# Altium PCB UmSELv1.PcbDoc (part 2 of 2)
Units mm, origin at the board's own origin, x right, y up, seen from the top; angles counter-clockwise.
Board outline 50 x 99.5 mm, 4 copper layers (Top Layer, InternalPlane, Internal1, Bottom Layer), stack 1.435 mm thick; 247 components, 137 nets, 739 pads, 494 vias.
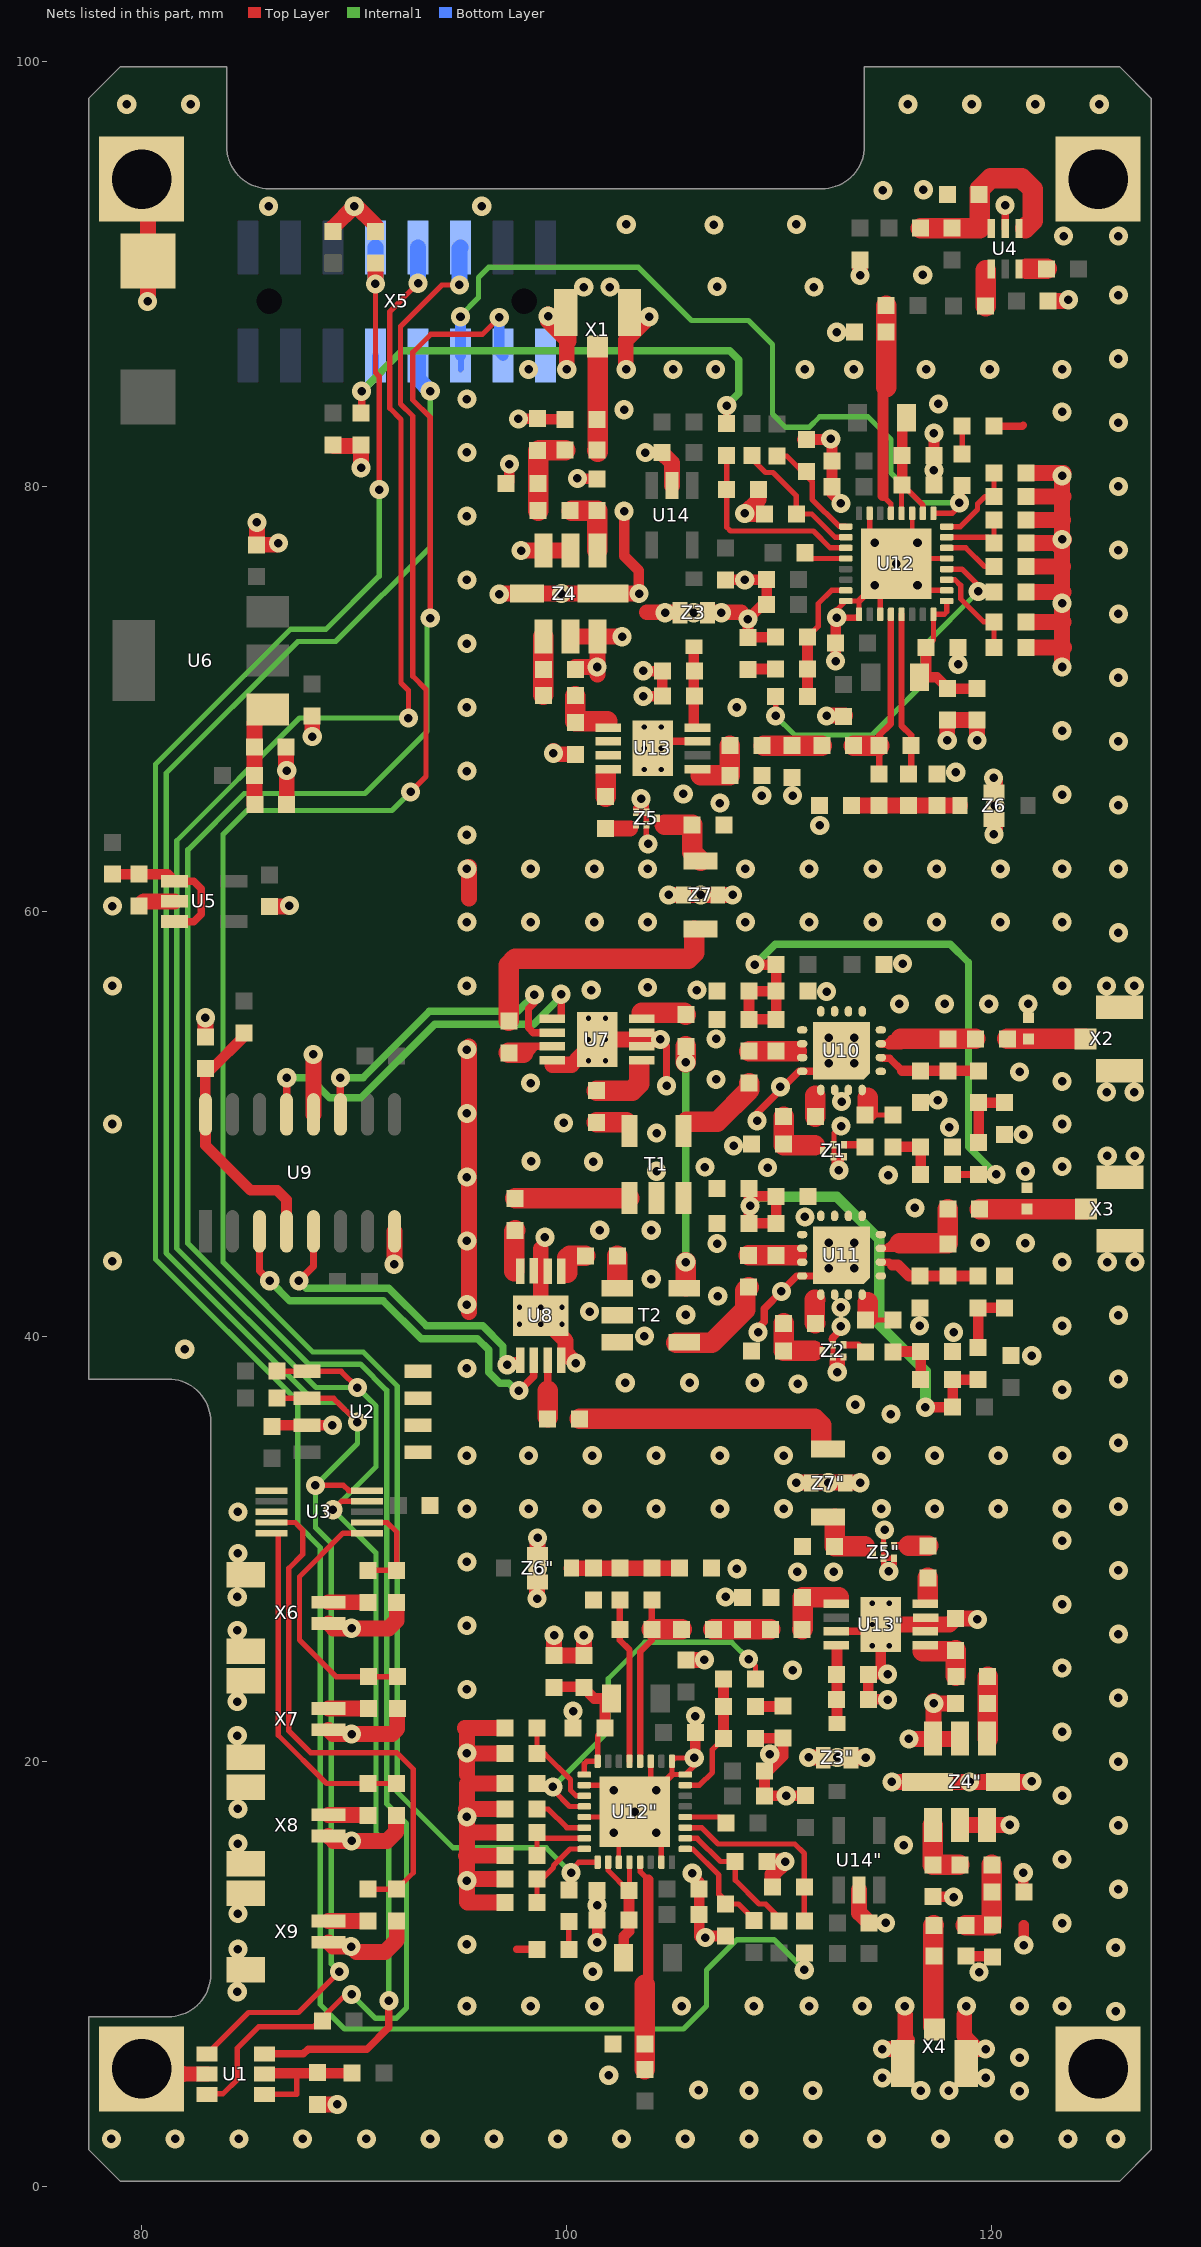
[diagram p4: the nets of this part, all layers, seen from the top]

## Via types
v1: diameter 0.9, hole 0.4, Top Layer to Bottom Layer, tented both sides, 392 vias
v2: diameter 0.9, hole 0.4, Top Layer to Internal1, tented both sides, 60 vias
v3: diameter 0.5, hole 0.25, Top Layer to Bottom Layer, tented both sides, 24 vias
v4: diameter 0.7, hole 0.4, Top Layer to Bottom Layer, tented both sides, 10 vias
v5: diameter 0.8, hole 0.4, Top Layer to Bottom Layer, tented both sides, 8 vias

## Nets (pads, with @x,y where several pads share a name; then routed paths per layer and width w, separated by ;. In a path a pad name is that pad's centre, name@x,y a point inside that pad or via, vN(x,y) a via of type N, cw(c..) or ccw(c..) an arc to the next point about the centre after c; other vN are vias at no path point) (continued)
GND: "C41\".1" "C42\".1" "C43\".1" "C44\".1" "C45\".1" "C46\".1" "C47\".2" "C48\".1" "C49\".1" "C50\".2" "C51\".2" "C52\".2" "C53\".2" "C54\".2" "C55\".2" "C56\".2" "C57\".1" "C58\".1" "C60\".2" "C61\".2" "C62\".1" "C64\".1" "C65\".2" "C66\".1" "C67\".2" "C68\".1" "C69\".1" "C70\".2" "C71\".1" "C73\".2" "C74\".2" "C75\".2" "C76\".2" "C77\".2" "C79\".1" "L20\".2" "LED1\".1" "R35\".1" "R37\".1" "R40\".2" "R43\".2" "U12\".0" "U12\".8" "U12\".9" "U12\".11" "U12\".18" "U12\".21" "U12\".27" "U12\".31" "U13\".0" "U13\".3" "U13\".6" "U13\".7" "U14\".2" "Z3\".2" "Z4\".2" "Z4\".3" "Z4\".4" "Z4\".6" "Z4\".7" "Z4\".8" "Z5\".2" "Z5\".3" "Z5\".5" "Z6\".2" "Z7\".2" C1.1 C2.2 C3.1 C4.1 C5.1 C6.1 C7.1 C8.2 C9.1 C10.1 C18.1 C19.1 C20.1 C21.1 C24.1 C25.1 C28.1 C29.1 C30.2 C31.2 C34.1 C37.2 C38.2 C39.2 C40.2 C41.1 C42.1 C43.1 C44.1 C45.1 C46.1 C47.2 C48.1 C49.1 C50.2 C51.2 C52.2 C53.2 C54.2 C55.2 C56.2 C57.1 C58.1 C60.2 C61.2 C62.1 C64.1 C65.2 C66.1 C67.2 C68.1 C69.1 C70.2 C71.1 C73.2 C74.2 C75.2 C76.2 C77.2 C79.1 ESD1.1 ESD2.1 L6.2 L7.2 L20.2 LED1.1 pad.0 R1.1 R2.1 R3.1 R4.1 R8.2 R9.2 R10.2 R12.2 R14.2 R18.2 R23.2 R35.1 R37.1 R40.2 R43.2 T1.1 T1.2 T2.1 T2.2 U1.2 U2.1 U2.2 U2.3 U2.4 U2.7 U3.1 U3.3 U4.2 U5.2 U7.0 U7.4 U7.6 U7.7 U8.0 U8.4 U8.6 U8.7 U9.8 U9.12 U10.0 U11.0 U12.0 U12.8 U12.9 U12.11 U12.18 U12.21 U12.27 U12.31 U13.0 U13.3 U13.6 U13.7 U14.2 X1.2 X2.2 X3.2 X4.2 X5.15 X6.0 X6.2 X7.0 X7.2 X8.0 X8.2 X9.0 X9.2 Z1.2 Z1.3 Z1.5 Z2.2 Z2.3 Z2.5 Z3.2 Z4.2 Z4.3 Z4.4 Z4.6 Z4.7 Z4.8 Z5.2 Z5.3 Z5.5 Z6.2 Z7.2 | length 334.7
  Top Layer w0.2: 102.45,15.27 102.45,16.895 102.95,17.395 v4(103.2,17.645) ; v4(115.5,76.355) 115.75,76.605 116.25,77.105 U12.27@116.25,78.73
  Top Layer w0.25: 100.825,17.395 102.95,17.395 ; 100.825,18.895 101.95,18.895 v4(102.2,18.645) v4(103.2,17.645) ; 103.735,63.875 103.743,63.882 103.743,63.257 v1(103.825,63.175) ; Z5.5@103.743,64.087 103.743,64.655 Z5.2@103.75,64.662 ; 103.95,18.395 103.95,20.02 ; 104.45,15.27 104.45,16.395 ; v1@106,19.82 105.575,19.395 104.95,19.395 104.95,20.02 105.105,20.175 v1(106,20.175) ; Z2.5@112.525,39.613 Z2.2@112.525,39.037 Z2.3@113.025,39.037 ; v1@112.7,74.18 U12.8@113.125,74.605 113.75,74.605 U12.9@113.75,73.98 113.595,73.825 ; v1(112.8,47.825) 112.575,48.05 112.575,49.572 v1(112.906,49.902) ; U12.0@114.25,77.605 U12.31@114.25,78.73 ; U12.11@114.75,73.98 U12.0@114.75,75.605 ; v1@114.9,29.025 v1@114.9,29.275 ; v1@114.9,30.9 114.9,30.15 114.9,29.575 ; 114.907,29.9 114.907,29.582 114.9,29.575 ; v1@114.925,30.875 v1(114.95,30.9) ; U12.0@115.75,76.605 U12.21@117.875,76.605 ; v4(116.5,75.355) 116.75,75.105 U12.18@117.875,75.105 ; Z5.2@103.75,64.662 Z5.3@103.25,64.662 103.25,64.875 103.625,65.25 103.75,65.125 Z5.2@103.75,64.662 ; v1@114.9,29.275 114.9,29.575 ; v1@114.9,29.275 115.15,29.025 115.4,29.275 115.4,29.575 115.075,29.575 114.9,29.575
  Top Layer w0.3: 104.45,16.395 v4(104.2,16.645) v4(103.2,17.645) 103.95,18.395 v4(104.2,18.645) 104.95,19.395 ; v1@106,19.82 v1(106,20.175) ; v1@112.7,74.18 v1(112.7,73.825) 113.595,73.825 ; 113.75,74.605 v4(114.5,75.355) 114.75,75.605 v4(115.5,76.355) v4(114.5,77.355) U12.0@114.25,77.605
  Top Layer w0.35: 97.645,11.17 98.6,11.17 ; 99.325,52.775 U7.4@99.325,53 100.45,53 100.925,53 101.425,53.5 U7.0@101.425,53.975 ; U8.4@99.75,38.875 100.307,38.875 v1(100.43,38.752) ; U13.0@104.05,67.675 104.375,68 U13.3@106.15,68 ; v1(104.405,53.978) 104.693,53.69 104.693,51.807 v1(104.7,51.8) ; v1@108.8,40.2 109.292,40.692 109.292,41.317 v1(110.1,42.125) 110.825,42.85 U11.0@111.075,42.85 U11.0@111.6,42.85 ; v1(108.95,50.15) 108.95,50.501 110.924,52.475 U10.0@111.075,52.475 U10.0@111.6,52.475 ; U11.0@112.15,43.4 U11.0@112.575,43.825 ; U10.0@112.15,53.025 U10.0@112.575,53.45 U10.0@112.925,53.8 ; 112.478,39.872 112.51,39.905 112.51,39.943 112.925,40.358 v1@112.925,40.5 ; 112.665,26.135 114.375,26.135 114.44,26.135 ; LED1.1@120.1,82.83 121.43,82.83 121.475,82.875 ; U4.2@120.625,92.125 v1(120.625,93.225)
  Top Layer w0.5: C5.1@86.125,35.775 86.175,35.825 U2.7@87.79,35.825 v1(88.975,35.825) ; C43.1@97.225,80.13 97.3,80.205 v1(97.3,81.05) ; v1(97.725,83.175) R37.1@98.901,83.175 ; 99.1,83.15 R35.1@99.925,83.15 ; v1(100.294,22.372) 100.3,22.366 100.3,21.575 ; v1(100.5,80.375) 100.52,80.355 C49.1@101.425,80.355 ; v1(101.425,11.5) 101.425,12.545 v1(101.425,13.245) 101.425,13.945 ; 102.625,16.955 v4@103.2,17.53 ; v1(102.7,78.825) 102.7,76.725 103.394,76.031 103.394,74.958 v1@103.393,74.957 ; v1(103.6,70.125) 103.605,70.13 C55.2@104.5,70.13 C50.2@104.5,71.305 103.62,71.305 v1(103.6,71.325) ; v1(103.7,81.584) C79.1@104.475,81.584 ; v1(104.625,74.05) Z3.2@105.325,74.05 v1(105.975,74.05) Z3.2@106.625,74.05 v1(107.275,74.05) ; v1(105.905,14.751) 105.905,14.67 106.225,14.35 106.225,14.02 106.225,12.82 v1@106.225,11.775 ; v1(106,20.175) 106.05,20.225 106.05,21.375 v1(106.05,22.146) ; v1(106.52,11.72) 106.28,11.72 v1@106.225,11.775 ; C64.1@107.475,75.605 C46.1@109.4,75.605 C45.1@109.4,74.43 109.205,74.43 v1(108.525,73.75) ; 107.625,11.8 106.25,11.8 v1@106.225,11.775 ; 108.2,74.075 v1(108.525,73.75) ; 108.875,21.095 110.15,21.095 110.175,21.12 110.175,20.25 109.495,19.57 109.3,19.57 109.3,18.395 v1(110.325,18.395) 111.225,18.395 ; C48.1@109.825,72.905 108.55,72.905 R43.2@108.525,72.88 v1(108.525,73.75) ; C44.1@111.075,82.2 C44.1@111.275,82.2 112.45,82.2 v1@112.475,82.225 ; v1@111.425,20.325 112.075,20.325 ; 112.065,20.19 113.365,20.19 v1(114.065,20.19) ; v1(112.421,82.229) 112.471,82.229 v1@112.475,82.225 ; v1(112.65,71.775) C52.2@112.65,72.625 112.65,73.775 v1(112.7,73.825) ; v1(112.8,47.825) 112.8,48.375 ; v1(112.9,79.2) 112.9,79.225 112.475,79.65 C56.2@112.475,79.98 C54.2@112.475,81.18 v1@112.475,82.225 ; 114.19,25.885 114.44,26.135 114.765,26.46 ; 114.225,12.416 v1(115,12.416) ; v1@114.765,24.24 114.765,26.015 ; v1(115.09,22.915) 115.07,22.935 114.19,22.935 114.19,24.11 115.085,24.11 v1(115.09,24.115) ; 117.275,13.645 118.18,13.645 v1(118.2,13.625) ; C61.2@117.275,80.055 v1(117.275,80.755) C60.2@117.275,81.455 v1(117.275,82.5) ; C67.2@118.4,72.425 118.4,71.634 v1(118.406,71.628) ; 118.775,10.85 119.6,10.85 ; 121.475,13.87 v1(121.475,14.775) ; v1(121.5,11.375) 121.504,11.379 121.504,12.305
  Top Layer w0.7: pad.0@81.975,5.3 U1.2@83.1,5.3
  Top Layer w0.75: C10.1@79.875,60.25 80.099,60.474 U5.2@81.54,60.474 ; pad.0@80,94.45 80.3,94.15 C2.2@80.3,90.6 80.3,88.725 v1(80.275,88.7) ; C34.1@83,54.1 v1(83,55) ; v1(85.425,78.3) 85.425,77.275 C9.1@85.4,77.25 86.35,77.25 v1(86.43,77.33) ; C3.1@86.025,60.225 86.9,60.225 v1(86.95,60.275) ; C7.1@86.8,67.725 86.8,66.65 v1(86.825,66.625) R8.2@86.825,65.025 ; v1(88.025,68.225) C1.1@88.025,69.2 ; v1(88.075,53.275) 88.085,53.265 U9.12@88.085,50.45 ; C6.1@88.275,3.875 v1(89.2,3.875) ; X9.2@88.8,11.5 89,11.3 v1(89.85,11.3) 90.1,11.05 91.45,11.05 92,11.6 R9.2@92,12.5 ; X8.2@88.8,16.5 89.025,16.275 v1(89.875,16.275) 91.55,16.275 91.975,16.7 91.975,17.45 R10.2@92,17.475 ; X7.2@88.8,21.5 89,21.3 v1(89.875,21.3) 91.775,21.3 92.025,21.55 R12.2@92.025,22.5 ; X6.2@88.8,26.5 89.025,26.275 v1(89.875,26.275) 91.625,26.275 92,26.65 R14.2@92,27.5 ; R4.1@89,81.95 89.05,81.9 R2.1@90.3,81.9 ; R3.1@89,92 89,92.175 v1(90,93.175) 90.05,93.225 91,92.275 R1.1@91,92 ; v1(90.325,80.875) R2.1@90.325,81.925 ; v1(91.875,43.4) 91.895,43.42 U9.8@91.895,44.95 ; 95.2,21.575 95.3,21.575 v1(95.3,20.4) v1@95.3,20.375 ; v1@95.225,14.475 v1@95.3,14.475 ; v1@95.225,20.375 v1@95.3,20.375 ; 95.25,15.575 95.3,15.575 ; v1@95.25,17.775 v1@95.3,17.775 ; 95.3,13.4 v1(95.3,14.4) v1@95.3,14.475 ; 95.3,18.95 v1@95.3,17.775 ; 95.3,19.4 v1@95.3,20.375 ; 95.325,13.375 97.1,13.375 ; 95.325,18.975 97.1,18.975 ; v1@95.4,14.475 97.1,14.475 ; 95.4,15.575 97.1,15.575 ; v1@95.4,17.775 97.1,17.775 ; v1@95.4,20.375 97.1,20.375 ; 95.4,21.575 97.1,21.575 ; v1@95.4,41.15 95.4,50.5 v1@95.4,53.65 ; 95.4,60.6 v1@95.4,62.1 ; 95.575,16.675 97.1,16.675 ; v1(96.825,74.925) 96.857,74.957 Z4.4@98.138,74.957 99.743,74.957 v1(99.75,74.95) 101.687,74.95 Z4.8@101.694,74.957 103.393,74.957 v1(103.4,74.95) ; v1(97.85,76.975) 97.864,76.989 Z4.3@98.9,76.989 Z4.2@100.17,76.989 ; v1(98.6,27.675) 98.6,28.425 98.625,28.45 v1@98.625,29.105 ; v1@98.625,30.444 98.625,29.75 v1@98.625,29.105 ; v1@98.625,30.495 v1(98.625,30.525) ; v1(98.63,29.1) v1@98.625,29.105 ; 98.775,44.125 v3(98.775,41.375) U8.0@98.775,40.975 99.95,39.8 99.95,39.232 v1@100.307,38.875 ; v1@99.075,88.025 v1@99.125,88.075 ; 99.325,52.775 100.225,52.775 ; v1@99.375,67.55 v1@99.425,67.5 ; v1(99.4,25.95) 99.4,25 100.8,25 v1(100.8,25.95) ; v1@99.425,67.395 C62.1@100.4,67.395 ; v1@100,85.775 100,86.75 ; Z4.6@100.17,72.925 Z4.7@101.44,72.925 ; C57.1@100.4,71.5 v1(101.425,71.5) v1@101.44,71.515 ; 100.45,53 U7.0@101.425,53.975 v3(101.825,53.975) 104.402,53.975 v1(104.405,53.978) ; v1@101.44,71.14 v1@101.44,71.515 ; v1@102,89.4 v1(102.025,89.375) ; v1(102.6,72.925) Z4.7@101.44,72.925 ; v1@102.775,85.825 102.775,86.875 ; 102.85,86.95 v1(103.875,87.975) ; 103.775,74.075 108.2,74.075 ; C79.1@104.475,81.584 104.949,81.11 U14.2@104.949,80.035 ; v1(104.8,60.775) Z7.2@105.5,60.775 v1(106.3,60.775) Z7.2@107.1,60.775 v1(107.8,60.775) ; 105.6,24.775 106.455,24.775 v1(106.475,24.795) ; C41.1@109.025,79.85 109.025,79.375 v1(108.375,78.725) 108.4,78.7 C42.1@109.3,78.7 ; 109.425,15.3 v1(110.275,15.3) 109.675,14.7 109.675,14.1 ; v1(110.8,33.125) v1(112.3,33.125) v1(113.8,33.125) ; v1(111.375,20.2) v1(112.725,20.2) 114.055,20.2 v1(114.065,20.19) ; v1(112.225,69.2) 112.325,69.2 112.35,69.225 C53.2@113.1,69.225 ; v1(112.725,38.325) 112.725,38.837 ; 113.751,13.965 113.751,12.89 114.225,12.416 ; v1(113.8,89.925) R23.2@113.8,90.65 ; 114.765,26.46 118.01,26.46 118.29,26.74 119.265,26.74 v1(119.315,26.69) ; v1(114.85,6.475) 115.6,6.475 X4.2@116,6.875 ; v1(115.3,19.05) 115.307,19.043 117.006,19.043 117.013,19.05 v1(118.95,19.05) 118.957,19.043 121.843,19.043 v1(121.875,19.075) ; 115.925,6.975 v1@115.925,8.075 ; v1(116.1,21.075) 117.26,21.075 ; v1@117.25,22.725 v1@117.26,22.735 ; v1@117.26,22.86 v1@117.26,22.735 ; v1(117.9,68.05) C70.2@117.9,69 C71.1@119.3,69 v1(119.3,68.05) ; 118.29,22.74 v1(117.265,22.74) v1@117.26,22.735 ; 118.53,17.011 120.836,17.011 v1(120.85,17.025) ; 118.53,21.075 117.26,21.075 ; 118.7,7.1 v1@118.7,8.075 ; X4.2@118.95,5.825 118.825,5.7 118.8,5.725 118.775,5.75 118.775,7 119.3,6.475 v1(119.7,6.475) v1@119.725,6.45 ; v1(120.081,66.278) 120.15,66.209 v1@120.15,64.97 ; v1(120.145,64.975) v1@120.15,64.97 ; v1@120.15,63.631 v1@120.15,64.97 ; C68.1@121.6,72.425 123.3,72.425 ; C69.1@121.6,73.625 123.3,73.625 ; C77.2@121.6,75.025 123.3,75.025 ; R40.2@121.6,76.225 123.3,76.225 ; C76.2@121.6,77.325 v1@123.125,77.325 ; C75.2@121.6,78.425 123.3,78.425 ; C74.2@121.6,79.525 123.3,79.525 ; C73.2@121.6,80.625 v1@123.375,80.625 ; C4.1@122.65,88.725 v1@123.55,88.725 ; v1@123.125,77.225 v1@123.3,77.4 ; 123.25,76.125 123.3,76.075 ; 123.25,78.325 123.3,78.375 ; 123.275,73.525 123.3,73.5 ; v1@123.275,74.925 v1@123.3,74.95 ; 123.275,79.425 123.3,79.4 ; v1@123.275,80.525 v1(123.3,80.5) 123.3,79.525 ; v1(123.3,71.5) 123.3,72.325 123.3,72.425 ; 123.35,76.225 123.3,76.225 ; 123.35,78.425 123.3,78.425 ; 123.375,73.625 123.3,73.625 ; 123.375,75.025 123.3,75.025 ; 123.375,79.525 123.3,79.525 ; 123.4,72.425 123.3,72.425 ; v1@123.4,77.5 v1@123.3,77.4 ; v1@95.3,14.475 95.3,15.575 ; 95.3,15.575 v1(95.3,17.4) v1@95.3,17.775 ; v1@101.44,71.515 Z4.7@101.44,72.925 ; 117.26,21.075 v1@117.26,22.735 ; 123.3,72.425 123.3,73.5 ; 123.3,73.5 123.3,73.625 ; 123.3,73.625 v1(123.3,74.5) v1@123.3,74.95 ; v1@123.3,74.95 123.3,75.025 ; 123.3,75.025 123.3,76.075 ; 123.3,76.075 123.3,76.225 ; 123.3,76.225 v1@123.3,77.4 ; v1@123.3,77.4 v1(123.3,77.5) 123.3,78.375 ; 123.3,78.375 123.3,78.425 ; 123.3,78.425 123.3,79.4 ; 123.3,79.4 123.3,79.525 ; v1@99.125,87.775 100.075,86.825 100.075,88.075 100.025,88.125 99.9,88 v1(99.125,88) v1@99.125,87.775
  Top Layer w0.965: X4.2@115.8,5.375 X4.2@115.8,5.8 X4.2@115.8,5.85 ; X4.2@118.8,5.325 118.8,5.725 X4.2@118.8,5.8 X4.2@118.8,5.85
  other v1: 78.575,2.25 81.575,2.25 84.575,2.25 87.575,2.25 90.575,2.25 93.575,2.25 96.575,2.25 99.575,2.25 102.575,2.25 105.575,2.25 108.575,2.25 111.575,2.25 114.575,2.25 117.575,2.25 120.575,2.25 123.575,2.25 125.825,2.25 121.3,4.5 108.575,4.525 111.575,4.525 116.65,4.525 117.975,4.525 106.2,4.55 114.85,5.125 119.7,5.125 101.975,5.25 121.3,6.075 125.825,8.25 95.3,8.5 98.3,8.5 101.3,8.5 105.4,8.5 108.8,8.5 111.4,8.5 113.9,8.5 115.9,8.5 118.8,8.5 121.3,8.5 123.3,8.5 84.5,9.175 119.4,10.1 101.22,10.12 84.525,11.175 125.825,11.25 95.3,11.4 123.3,12.4 84.525,12.85 125.95,14 123.3,15.4 115.85,16.075 84.525,16.15 125.95,17 84.525,17.775 123.3,18.4 125.95,20 109.55,20.35 84.5,21.225 123.3,21.4 84.5,22.825 125.95,23 95.3,23.4 110.625,24.3 123.3,24.4 125.95,26 84.5,26.175 95.3,26.4 123.3,27.4 84.5,27.75 107.475,27.75 110.85,28.925 112.55,28.925 115.15,28.95 125.95,29 108,29.075 95.3,29.4 84.525,29.8 123.3,30.4 84.525,31.75 95.3,31.9 98.2,31.9 101.2,31.9 104.2,31.9 107.2,31.9 110.2,31.9 114.8,31.9 117.3,31.9 120.3,31.9 123.3,31.9 125.95,32 95.3,34.4 98.2,34.4 101.2,34.4 104.2,34.4 107.2,34.4 110.2,34.4 114.8,34.4 117.3,34.4 120.3,34.4 123.3,34.4 125.95,35 115.25,36.35 113.575,36.8 123.3,37.5 110.875,37.775 102.75,37.825 105.775,37.825 108.85,37.825 125.95,38 95.3,38.5 121.875,39.1 82.025,39.4 103.65,40.025 109,40.2 118.2,40.2 112.9,40.475 116.6,40.5 123.3,40.5 125.95,41 105.6,41.025 101.075,41.175 112.9,41.375 95.3,41.5 107.1,41.9 103.975,42.7 123.3,43.5 125.425,43.5 126.725,43.5 78.625,43.55 107.075,44.375 121.575,44.4 119.45,44.425 95.3,44.5 98.975,44.675 101.55,45 103.975,45 111.2,45.625 116.375,46.05 95.3,47.5 115.125,47.6 104.225,47.775 121.575,47.775 109.45,47.95 106.5,47.975 123.3,48 101.25,48.225 98.325,48.25 125.425,48.5 126.725,48.5 107.85,48.975 121.475,49.5 104.225,49.575 118,49.85 78.625,50 123.3,50 99.85,50.05 95.3,50.5 112.925,51.05 117.45,51.125 125.4,51.5 126.7,51.5 110.05,51.75 98.3,51.925 123.3,52 107.025,52.1 121.3,52.45 95.3,53.5 107.025,54 115.65,55.65 117.775,55.65 119.85,55.65 121.7,55.65 112.225,56.225 101.15,56.3 106.125,56.3 103.805,56.428 78.625,56.5 95.3,56.5 123.3,56.5 125.4,56.5 126.7,56.5 115.8,57.55 125.95,59 95.3,59.5 98.3,59.5 101.3,59.5 103.8,59.5 108.4,59.5 111.4,59.5 114.4,59.5 117.4,59.5 120.4,59.5 123.3,59.5 78.625,60.25 95.3,62 98.3,62 101.3,62 103.8,62 108.4,62 111.4,62 114.4,62 117.4,62 120.4,62 123.3,62 125.95,62 95.3,63.6 120.092,63.631 111.9,64.05 125.95,65 107.2,65.1 103.5,65.3 109.175,65.45 110.625,65.45 123.3,65.5 105.48,65.528 118.3,66.55 95.3,66.6 99.375,67.445 125.95,68 123.3,68.5 95.3,69.6 108,69.6 125.95,71 95.3,72.6 125.95,74 95.3,75.6 108.375,75.6 125.95,77 95.3,78.6 125.95,80 95.3,81.6 125.95,83 123.3,83.5 102.7,83.6 117.48,83.88 95.3,84.1 98.2,85.5 100,85.5 102.8,85.5 105,85.5 107,85.5 111.2,85.5 113.5,85.5 116.9,85.5 119.9,85.5 123.3,85.5 125.95,86 112.7,87.25 123.6,88.775 125.95,89 100.8,89.375 107.075,89.4 111.625,89.375 116.75,89.95 123.375,91.775 125.95,91.775 106.925,92.3 102.8,92.325 110.8,92.325 85.975,93.175 96,93.175 114.875,93.925 116.775,93.95 79.3,97.975 82.3,97.975 116.05,97.975 119.05,97.975 122.05,97.975 125.05,97.975
  other v3: 114.375,25.45 115.175,25.45 114.375,26.45 115.175,26.45 114.375,27.45 115.175,27.45 97.775,40.575 98.775,40.575 99.775,40.575 97.775,41.375 99.775,41.375 101.025,52.975 101.825,52.975 101.025,53.975 101.025,54.975 101.825,54.975 103.65,66.675 104.45,66.675 103.65,67.675 104.45,67.675 103.65,68.675 104.45,68.675
  other v4: 102.2,16.645 116.5,77.355
  other v5: 112.325,43.225 113.525,43.225 112.325,44.425 113.525,44.425 112.325,52.85 113.525,52.85 112.325,54.05 113.525,54.05
IF_OUT: R35.2 R36.1 X1.1 | length 4.7
  Top Layer w0.965: R36.1@101.425,81.7 R36.1@101.45,81.725 ; R36.1@101.45,81.625 R36.1@101.45,81.725 ; X1.1@101.45,86.25 R36.1@101.45,81.725
"IF_OUT\"": "R35\".2" "R36\".1" X4.1 | length 4.7
  Top Layer w0.965: X4.1@117.25,7.55 117.25,12.175 ; 117.25,12.275 117.275,12.3
INTRPT: R15.1 U1.3 X5.13 | length 111.4
  Top Layer w0.25: U1.3@83.075,4.375 83.825,4.375 84.5,5.05 84.5,6.525 85.5,7.525 88.075,7.525 89.6,9.05 v2(89.875,9.05) ; v2(93.58,73.804) 93.58,83.245 92.755,84.07 92.755,86.305 93.6,87.15 96.025,87.15 v1(96.825,87.95)
  Internal1 w0.25: v2(89.875,9.05) 91,7.925 91.973,7.925 92.457,8.408 92.457,17.093 91.525,18.025 91.525,37.468 90.293,38.7 87.85,38.7 82.175,44.375 82.175,62.9 84.825,65.55 90.5,65.55 93.425,68.475 93.425,73.649 v2(93.58,73.804)
  Bottom Layer w0.5: v1(96.825,87.95) 96.825,86.331 X5.13@97,86.156
LD1: R41.1 U12.25 X5.11 | length 38.4
  Top Layer w0.25: U12.25@117.25,78.73 118.13,78.73 118.625,79.225 118.6,79.25 R41.1@118.6,80.03
  Internal1 w0.25: v1(95,87.975) 95,88.025 95.85,88.875 95.85,89.825 96.325,90.3 103.375,90.3 105.875,87.8 108.55,87.8 109.675,86.675 109.675,83.4 110.3,82.775 111.4,82.775 111.9,83.275 114.175,83.275 115.25,82.2 115.25,80.621 116.646,79.225 v2(118.475,79.225)
  Bottom Layer w0.25: X5.11@95,85.475 X5.11@95,86.156 ; X5.11@95.05,85.525 X5.11@95.05,86.206
  Bottom Layer w0.5: X5.11@95,86.156 v1(95,87.975)
LD2: "R41\".1" "U12\".25" X5.12 | length 99.7
  Top Layer w0.25: v2(92.65,65.625) 93.375,66.35 93.375,70.45 92.755,71.07 92.755,83.303 92.175,83.882 92.175,87.525 94.125,89.475 v1(94.95,89.475) ; 100.1,13.97 100.1,14.75 100.075,14.775 100.57,15.27 101.45,15.27
  Internal1 w0.25: v2(92.65,65.625) 91.775,64.75 84.95,64.75 83.825,63.625 83.825,43.5 88.05,39.275 90.425,39.275 92.025,37.675 92.025,34.518 92.025,18.575 94.65,15.95 99.031,15.95 v2(100.205,14.776)
  Bottom Layer w0.75: v1(94.95,89.475) 94.95,91.194 X5.12@95,91.244
LE1: R2.2 R34.1 X5.7 | length 25
  Top Layer w0.35: R2.2@90.325,83.425 90.35,83.45 v1(90.35,84.475) ; R34.1@107.525,82.95 v2(107.525,83.8)
  Internal1 w0.35: v1(90.35,84.475) 92.25,86.375 107.675,86.375 108.1,85.95 108.1,84.375 v2(107.525,83.8)
  Bottom Layer w0.35: v1(90.35,84.475) 91,85.125 X5.7@91,86.156
LE2: "R34\".1" R1.2 X5.8 | length 119.7
  Top Layer w0.25: v1(91,89.525) 91,85.35 91.175,85.175 v2(91.175,79.85)
  Top Layer w0.35: v2(111.175,10.2) 111.175,11 111.175,11.05
  Top Layer w0.75: v1(91,89.525) R1.2@91,90.5
  Internal1 w0.25: v2(91.175,79.85) 91.175,75.775 88.675,73.275 87,73.275 80.65,66.925 80.65,43.639 87.35,36.939 87.35,31.126 88.4,30.076 88.4,8.575 89.55,7.425 105.491,7.425 106.575,8.508 106.575,10.19 108.01,11.625 109.75,11.625 v2(111.175,10.2)
  Bottom Layer w0.75: v1(91,89.525) X5.8@91,91.244
LNA-D_IN: C36.2 ESD2.2 X3.1 | length 5
  Top Layer w0.965: C36.2@119.425,46 ESD2.2@121.65,46 X3.1@124.425,46
LNA_IN: C35.2 ESD1.2 X2.1 | length 3.7
  Top Layer w0.965: C35.2@120.725,54 ESD1.2@121.725,54 X2.1@124.4,54
"LO\"_N": "L17\".1" "R39\".2" "U12\".13" | length 7.7
  Top Layer w0.3: 102.5,27.575 102.5,26.843 102.5,25.718 102.95,25.268 102.95,20.02
"LO\"_P": "C59\".1" "L18\".1" "R39\".1" "U12\".12" | length 9.2
  Top Layer w0.25: 103.45,20.02 103.45,20.4
  Top Layer w0.3: 103.45,20.4 103.45,25.168 104,25.718 104,26.275 104,27.575
  Top Layer w0.965: 104,26.225 105.4,26.225
LO_N: L17.1 R39.2 U12.13 | length 7.7
  Top Layer w0.3: U12.13@115.75,73.98 115.75,68.732 116.2,68.282 R39.2@116.2,67.8 116.2,67.157 L17.1@116.2,66.425
LO_P: C59.1 L18.1 R39.1 U12.12 | length 8.7
  Top Layer w0.25: U12.12@115.25,73.95 U12.12@115.25,73.98
  Top Layer w0.3: L18.1@114.7,66.425 R39.1@114.7,67.8 114.7,68.282 115.25,68.832 U12.12@115.25,73.7
  Top Layer w0.965: C59.1@113.5,67.8 R39.1@114.7,67.8
NetC6_2: C6.2 R11.1 U1.4 U1.5 | length 6.6
  Top Layer w0.25: U1.4@85.775,4.35 87.3,4.35 87.3,5.35
  Top Layer w0.5: U1.5@85.8,5.3 85.85,5.35 87.3,5.35 R11.1@89.9,5.35
NetC7_2: C7.2 R7.2 R8.1 U6.1 | length 4.7
  Top Layer w0.75: R8.1@85.325,65.025 85.3,65.05 R7.2@85.3,66.4 C7.2@85.3,67.725 85.3,68.875 U6.1@85.925,69.5
NetC10_2: C10.2 L1.2 U5.1 U5.3 | length 7.1
  Top Layer w0.35: U5.3@81.54,59.524 82.449,59.524 82.8,59.875 82.8,61.075 82.451,61.424 U5.1@81.54,61.424